# Altium PCB bogo_board.PcbDoc (part 2 of 2) (continued)
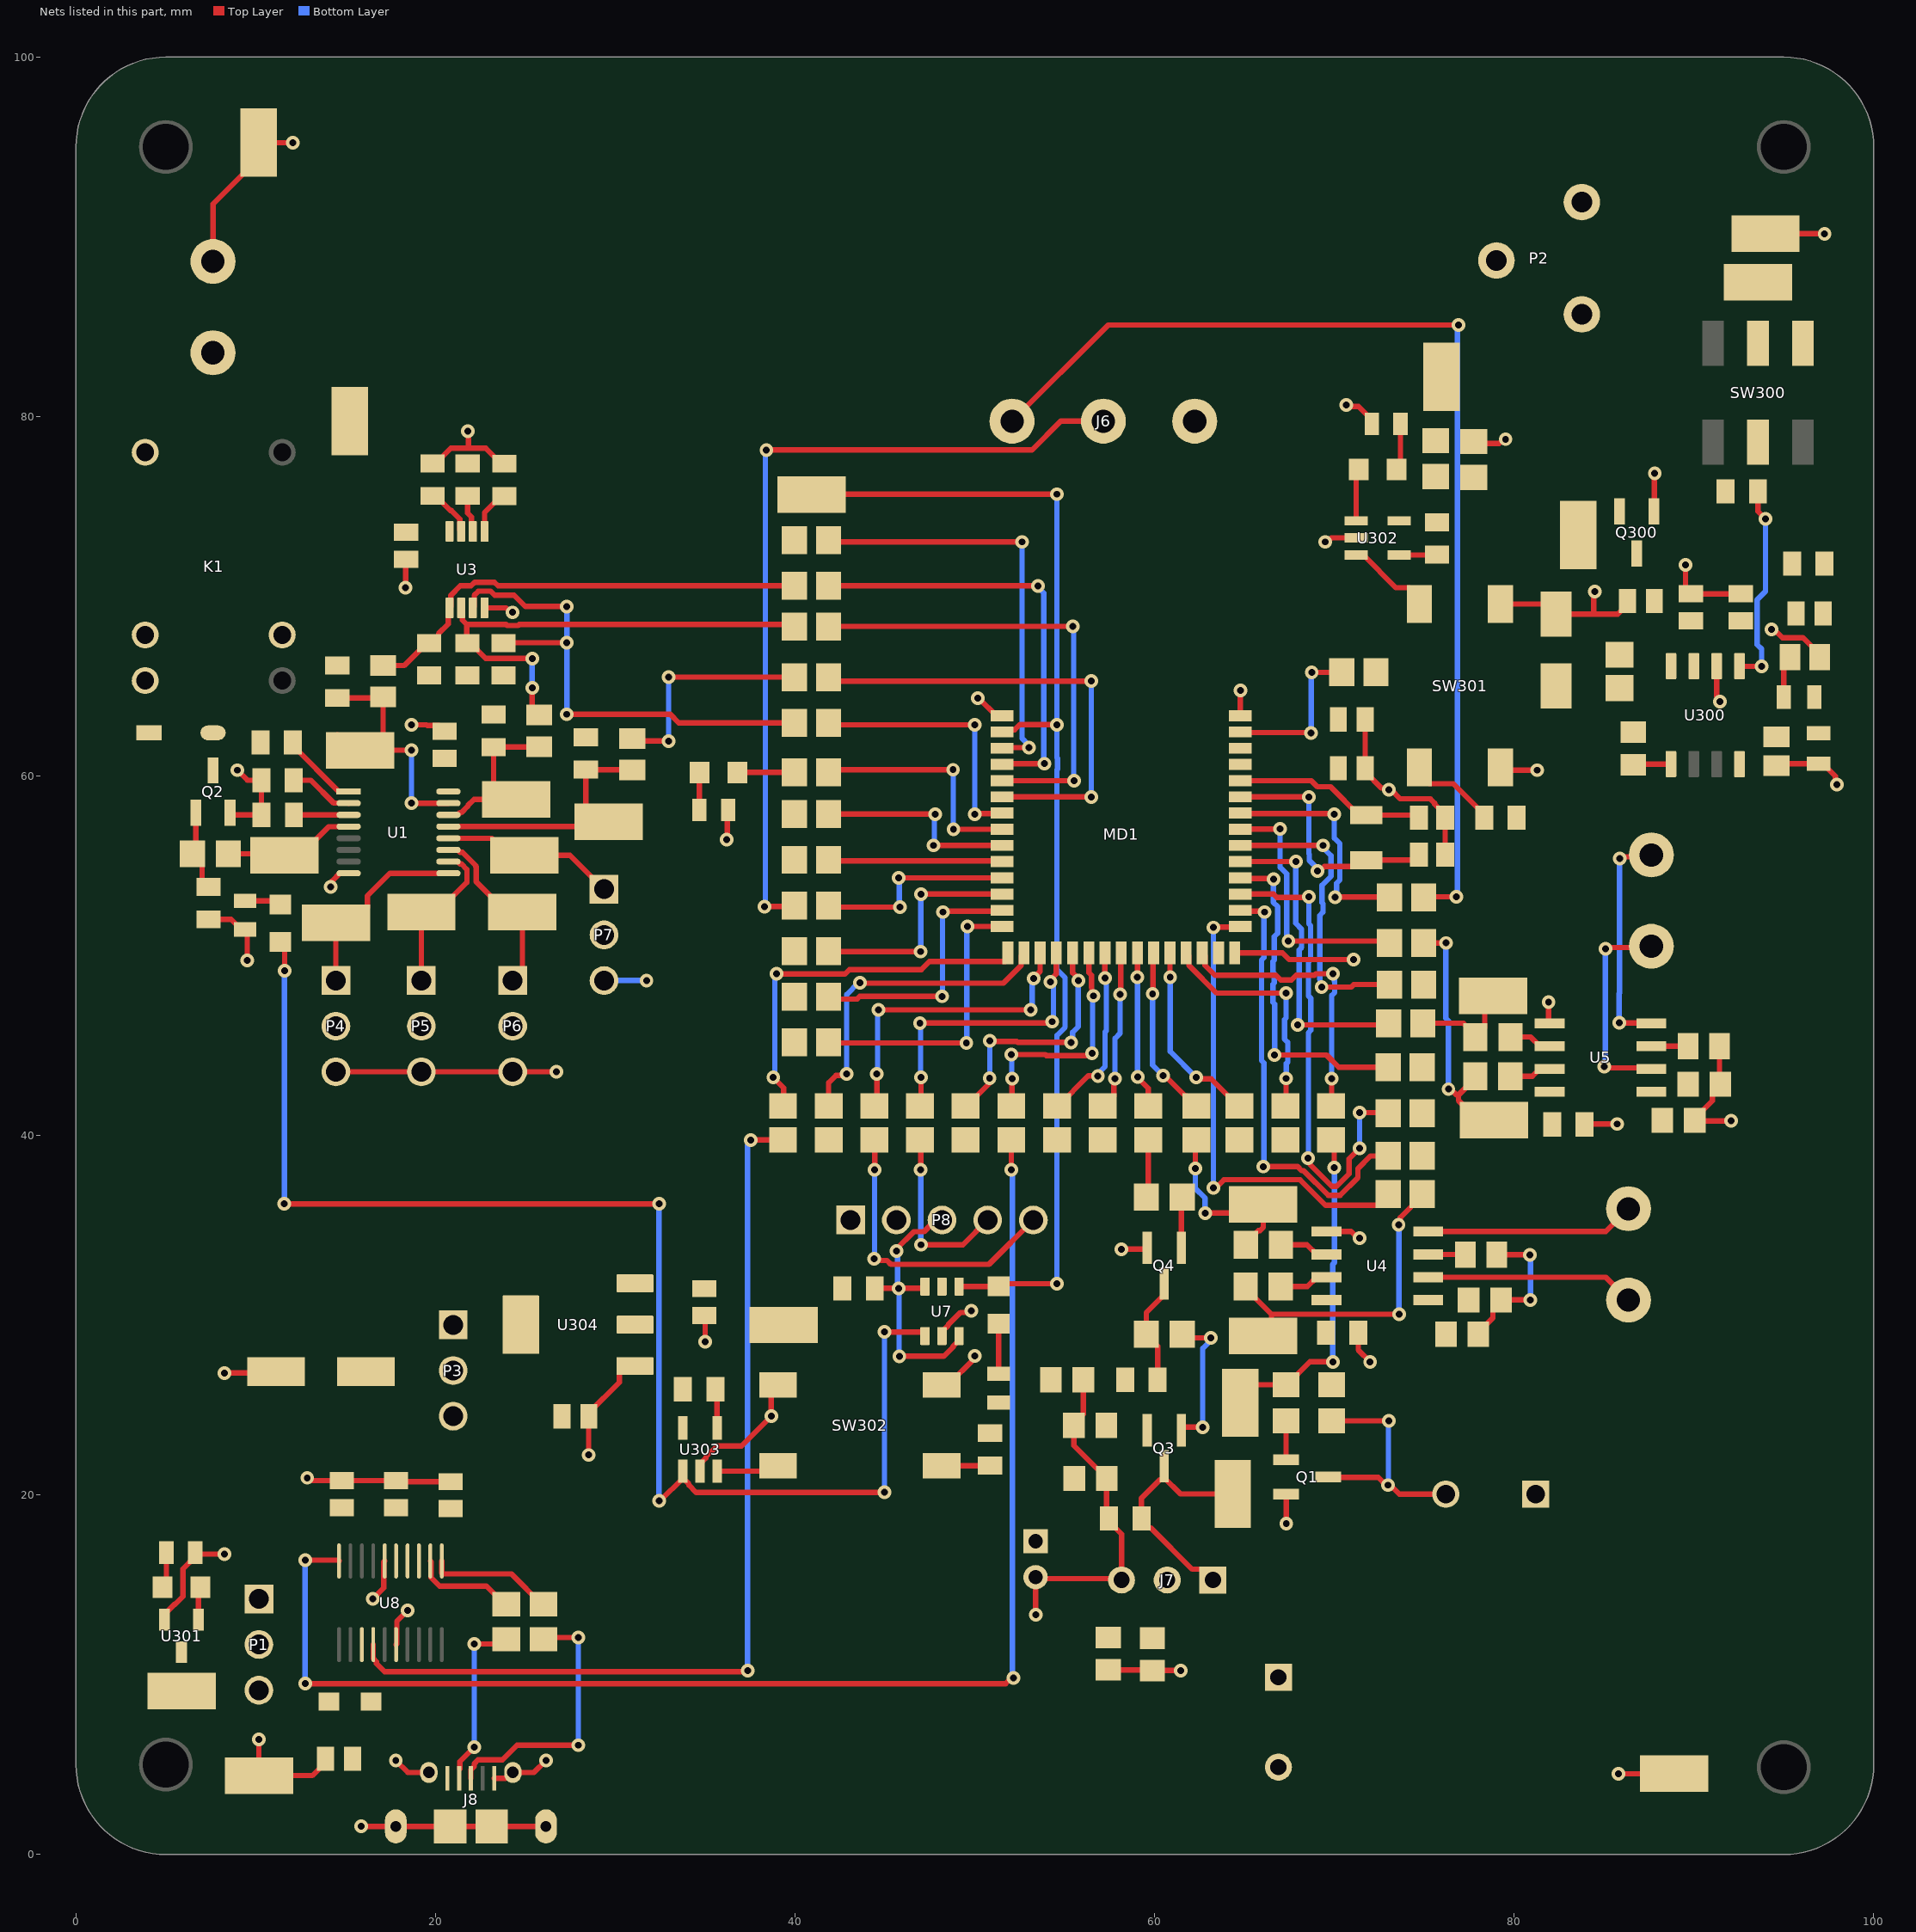
[diagram p2: the nets of this part, all layers, seen from the top]
## Nets (pads, with @x,y where several pads share a name; then routed paths per layer and width w, separated by ;. In a path a pad name is that pad's centre, name@x,y a point inside that pad or via, vN(x,y) a via of type N, cw(c..) or ccw(c..) an arc to the next point about the centre after c; other vN are vias at no path point)
3.3V: 3.3V.1 C1.1 C2.1 C7.2 C10.1 C11.1 C12.1 C14.2 C17.1 C18.2 MD1.4 P3.2 P4.2 P5.2 P6.2 P7.2 P8.1 Q3.2 R1.2 R2.2 R3.2 R4.2 R10.2 R13.2 R14.2 R15.2 R17.2 R23.2 R27.2 R63.2 R64.2 R65.2 R307.2 R308.2 R309.1 R310.1 SW300.6 U1.16 U2.1 U3.8 U4.4 U5.4 U7.5 U303.5
3.3V_REG: C308.1 P3.1 U304.2 U304.4
3.3V_USB: C20.1 P3.3 U8.3 U8.13 U8.14
3V3_MR_n: SW302.2 U303.3 | length 3.5
  Top Layer w0.3: U303.3@35.662,21.33 38.762,21.33 SW302.2@39.052,21.62
3V3_PB_RST: R308.1 SW302.1 | length 2.7
  Top Layer w0.3: SW302.1@48.152,21.62 50.818,21.62 R308.1@50.84,21.641
3V3_PG_R: LED302.1 R312.2 | length 2.1
  Top Layer w0.3: R312.2@9.415,53.06 11.169,53.06 LED302.1@11.392,52.837
3V3_PWR_GOOD: LED302.2 U7.1 U303.1 | length 77.2
  Top Layer w0.3: LED302.2@11.372,50.76 11.607,50.525 v1(11.607,49.163) ; v1(11.592,36.195) v1(32.43,36.195) ; v1(32.439,19.68) 32.502,19.68 U303.1@33.762,20.94 ; U303.1@33.762,21.33 U303.1@33.762,20.94 ; v1(44.978,20.145) 34.492,20.145 34.095,20.542 34.095,20.608 U303.1@33.762,20.94 ; v1(44.978,29.069) 47.113,29.069 47.224,28.959 U7.1@47.224,28.845
  Bottom Layer w0.3: v1(11.592,36.195) 11.6,36.203 11.6,49.156 v1(11.607,49.163) ; v1(32.43,36.195) 32.434,36.19 32.434,19.684 v1(32.439,19.68) v1@32.439,19.693 ; v1(44.978,20.145) v1(44.978,29.069)
3V3_WDI: R310.2 U303.4 | length 2.2
  Top Layer w0.3: R310.2@35.564,25.879 35.662,25.781 U303.4@35.662,23.73
5.0V: 5.0V.1 C13.1 C15.2 C16.2 C21.1 C22.1 C307.1 J7.2 P1.2 U8.15 U301.3 U304.3
5.0V_IN: C19.1 J8.1 L1.1
5.0V_REG: C302.1 C303.1 C304.1 L300.2 P1.1 R300.1
5.0V_USB: L1.2 P1.3
5V_PG_R: LED300.1 R304.2 | length 2
  Top Layer w0.3: LED300.1@4.823,14.878 5.034,15.089 R304.2@5.034,16.792
5V_PWR_GOOD: LED300.2 U301.1 | length 1.9
  Top Layer w0.3: U301.1@6.817,13.061 6.817,14.772 LED300.2@6.923,14.878
BUZZ_OUT: Q1.3 R10.1 U2.2 | length 13.9
  Top Layer w0.3: Q1.3@69.507,20.975 72.437,20.975 72.862,20.55 v1(72.987,20.55) 73.112,20.55 73.612,20.05 76.159,20.05 U2.2@76.2,20.009 ; R10.1@69.85,24.13 v1(73.025,24.13)
  Bottom Layer w0.3: v1(72.987,20.55) 73.006,20.569 73.006,24.111 v1(73.025,24.13)
BUZZ_P9.0: BUZZ.1 R11.1 R31.2 | length 18.6
  Top Layer w0.3: BUZZ.1@64.77,25.13 64.77,25.265 65.635,26.13 R11.1@67.31,26.13 67.36,26.13 68.641,27.411 v1(69.913,27.411) ; R31.2@69.807,39.75 69.994,39.563 v1(69.994,38.216)
  Bottom Layer w0.3: v1(69.913,27.411) 69.913,32.83 70.005,32.922 70.005,38.205 v1(69.994,38.216)
BUZZ_SEL: Q1.1 R11.2 | length 2.2
  Top Layer w0.3: Q1.1@67.31,21.95 R11.2@67.31,24.13
ENA: R301.2 U300.5 | length 11.4
  Top Layer w0.3: U300.5@92.53,66.113 92.544,66.099 v1(93.765,66.099) ; R301.2@93.562,75.83 93.562,74.728 v1(93.98,74.31)
  Bottom Layer w0.3: v1(93.765,66.099) 93.765,67.067 93.519,67.313 93.519,69.807 93.98,70.268 v1(93.98,74.31)
FTDI_RX_P6.5: R59.1 U8.4 | length 53.4
  Top Layer w0.3: U8.4@16.537,11.68 16.537,10.9 16.717,10.72 16.717,10.622 17.168,10.171 37.293,10.171 v1(37.358,10.235) ; v1(37.537,39.75) R59.1@39.327,39.75
  Bottom Layer w0.3: v1(37.358,10.235) 37.358,39.446 37.537,39.625 v1(37.537,39.75)
FTDI_TX_P6.4: R58.1 U8.20 | length 78.3
  Top Layer w0.3: v1(12.747,9.504) 51.714,9.504 52.024,9.814 v1(52.149,9.814) ; v1(12.747,16.38) 14.587,16.38 14.632,16.334 U8.20@14.632,16.33 ; v1(52.027,38.1) R58.1@52.027,39.75
  Bottom Layer w0.3: v1(12.747,9.504) v1(12.747,16.38) ; v1(52.027,38.1) 52.088,38.039 52.088,9.875 v1(52.149,9.814)
GND: C1.2 C2.2 C3.2 C4.2 C5.2 C6.2 C7.1 C8.1 C9.1 C10.2 C11.2 C12.2 C13.2 C14.1 C15.1 C16.1 C17.2 C18.1 C19.2 C20.2 C21.2 C22.2 C300.2 C303.2 C304.2 C305.1 C306.1 C307.2 C308.2 D300.2 GND0.1 GND1.1 GND2.1 GND3.1 J1.1 J6.1 J7.3 J8.5 J8.6 J8.7 J8.8 J8.9 J8.10 J8.11 MD1.1 MD1.15 MD1.43 P2.2 P2.3 P4.3 P5.3 P6.3 P7.3 P8.2 Q1.2 Q2.2 Q4.2 Q300.1 R8.1 R9.1 R12.1 R18.1 R19.1 R22.1 R23.1 R26.1 R27.1 R62.1 R68.1 R303.1 R304.1 R306.1 R311.1 R312.1 SW301.3 SW301.4 SW302.3 SW302.4 U1.8 U3.4 U4.1 U5.1 U7.2 U8.6 U8.16 U300.6 U301.2 U302.2 U303.2 U304.1 | length 220.4
  Top Layer w0.3: U301.2@4.917,13.061 4.917,13.361 5.484,13.928 5.518,13.928 5.951,14.361 5.951,15.884 6.634,16.567 R304.1@6.634,16.792 6.718,16.709 v1(8.255,16.709) ; R12.1@7.37,52.024 8.626,52.024 9.19,51.46 R312.1@9.415,51.46 9.525,51.35 v1(9.525,49.75) ; J1.1@7.62,88.63 7.62,91.825 10.16,94.365 GND1.1@10.16,95.25 10.178,95.232 v1(12.065,95.232) ; v1(8.255,26.789) 11.051,26.789 C7.1@11.133,26.871 ; Q2.2@8.57,57.963 8.695,57.838 R9.1@10.322,57.838 10.312,57.848 R8.1@10.312,59.766 9.53,59.766 v1(8.971,60.325) ; v1(10.176,6.408) GND2.1@10.176,4.39 13.142,4.39 13.882,5.13 C19.2@13.882,5.33 ; v1(12.862,20.955) 12.987,20.955 13.142,20.8 C21.2@14.79,20.8 C22.2@17.796,20.8 17.853,20.743 C20.2@20.84,20.743 ; v1(14.158,53.824) 14.246,53.912 14.246,54.163 14.67,54.588 U1.8@15.167,54.588 ; P4.3@14.458,43.543 P5.3@19.212,43.543 P6.3@24.292,43.543 v1(26.724,43.543) ; v1(15.875,1.563) J8.8@17.791,1.563 J8.9@20.816,1.563 J8.10@23.116,1.563 25.537,1.563 ; v1(16.51,14.22) 17.127,14.837 17.127,16.285 U8.16@17.172,16.33 ; v1(17.791,5.222) 18.451,4.563 J8.6@19.629,4.563 ; U8.6@17.807,11.68 17.852,11.725 17.852,12.984 v1(18.44,13.571) ; v1(18.338,70.485) 18.338,72.034 C2.2@18.362,72.058 ; v1(18.667,62.854) 19.498,62.854 19.543,62.808 20.179,62.808 C1.2@20.504,62.483 ; R18.1@19.832,77.383 20.007,77.383 20.857,78.233 21.828,78.233 ; v1(21.787,79.193) 21.828,79.152 21.828,78.233 ; U3.4@22.727,69.358 23.913,69.358 24.167,69.104 v1(24.292,69.104) ; J8.5@23.266,4.238 23.899,4.238 24.224,4.563 J8.7@24.303,4.563 25.481,4.563 v1(26.141,5.222) ; R19.1@23.826,77.38 23.651,77.38 22.798,78.233 21.828,78.233 ; J8.11@25.775,1.593 J8.11@25.775,2.057 ; v1(28.521,22.225) 28.521,24.369 C308.2@28.532,24.38 28.532,24.58 30.223,26.271 30.223,26.823 30.573,27.173 U304.1@31.098,27.173 U304.1@31.623,27.173 ; U303.2@34.712,21.33 34.712,21.72 35.045,22.052 35.045,22.118 35.657,22.73 37.023,22.73 v1(38.673,24.38) 38.673,25.741 SW302.4@39.052,26.12 ; C307.2@34.952,29.98 34.998,29.935 v1(34.998,28.521) ; v1(36.195,56.459) 36.237,56.501 36.237,58.078 R62.1@36.279,58.12 ; SW302.3@48.152,26.12 48.502,26.12 50,27.618 v1(50,27.74) ; U7.2@48.174,28.845 48.174,29.085 48.513,29.424 48.513,29.464 49.206,30.156 49.725,30.156 v1(49.813,30.245) ; v1(50.165,64.324) 50.22,64.324 51.194,63.35 MD1.43@51.524,63.35 ; C12.2@53.379,15.426 C12.2@53.382,15.423 ; v1(53.385,13.335) 53.382,13.338 C12.2@53.382,15.423 ; C14.1@56.037,26.41 56.037,24.5 55.507,23.97 C17.2@55.507,23.87 55.507,22.75 56.783,21.474 56.883,21.474 57.333,21.024 C18.1@57.333,20.924 57.333,18.829 R68.1@57.467,18.695 57.467,18.52 58.16,17.826 J7.3@58.16,15.269 58.081,15.348 53.458,15.348 C12.2@53.382,15.423 ; C15.1@57.417,10.27 59.836,10.27 C16.1@59.871,10.235 v1(61.46,10.235) ; v1(58.16,33.678) 59.505,33.678 Q4.2@59.587,33.76 ; MD1.15@64.453,50.161 67.115,50.161 67.489,49.787 v1(71.077,49.787) ; MD1.1@64.762,63.35 64.77,63.358 v1(64.77,64.77) ; Q1.2@67.31,20.05 67.324,20.036 v1(67.324,18.404) ; v1(69.48,73.025) 69.605,73.025 69.828,73.248 U302.2@71.209,73.248 ; U4.1@69.564,34.655 70.926,34.655 71.281,34.3 v1(71.406,34.3) ; v1(70.663,80.645) 70.751,80.557 71.345,80.557 72.079,79.823 R311.1@72.079,79.598 ; R23.1@71.329,29.029 71.329,28.069 v1(71.987,27.411) ; C11.2@71.717,63.15 C10.2@71.717,60.428 71.717,60.228 72.612,59.333 72.937,59.333 v1(73.025,59.245) 73.15,59.245 73.663,58.732 75.331,58.732 75.572,58.491 75.572,58.43 76.157,57.845 C8.1@76.157,57.678 C9.1@76.157,55.63 ; R306.1@77.752,78.507 79.165,78.507 79.398,78.74 v1(79.523,78.74) ; C3.2@78,28.94 78,29.04 78.817,29.857 78.817,30.395 79.276,30.854 v1(80.905,30.854) ; R22.1@79.03,33.367 v1(80.865,33.367) ; SW301.3@79.231,60.474 79.381,60.325 v1(81.28,60.325) ; SW301.4@79.231,69.574 81.767,69.574 D300.2@82.332,69.009 84.427,69.009 ; v1(81.915,47.421) 81.915,46.308 U5.1@81.978,46.244 ; R27.1@83.918,40.613 83.945,40.64 v1(85.724,40.64) ; v1(84.492,70.268) 84.427,70.202 84.427,69.009 ; v1(85.8,4.493) GND3.1@88.9,4.493 ; C300.2@86.297,69.738 86.297,69.538 85.768,69.009 84.427,69.009 ; Q300.1@87.765,74.723 87.793,74.751 87.793,76.807 v1(87.821,76.835) ; v1(89.535,71.755) 89.535,70.426 C303.2@89.826,70.135 C304.2@92.608,70.135 ; U300.6@91.26,66.113 91.26,64.44 91.44,64.26 v1(91.44,64.135) ; R26.1@91.426,44.974 91.426,42.908 C6.2@91.476,42.858 91.026,42.408 91.026,41.926 90.047,40.947 C5.2@90.047,40.847 90.083,40.81 v1(92.075,40.81) ; GND0.1@93.98,90.17 v1(97.268,90.17) ; v1(94.323,68.16) 94.448,68.16 94.92,67.687 96.066,67.687 96.991,66.762 C306.1@96.991,66.612 ; C305.1@94.597,60.569 94.71,60.682 R303.1@96.928,60.682 97.179,60.682 97.871,59.99 97.871,59.617 v1(97.96,59.529)
  Bottom Layer w0.3: P7.3@29.372,48.623 v1(31.736,48.623) ; v1(80.865,33.367) 80.905,33.327 v1(80.905,30.854)
IN_A1_P9.4: IN_A1.1 R21.2 R35.2 | length 17.3
  Top Layer w0.3: R21.2@65.058,31.599 65.058,31.499 66.497,30.06 ; IN_A1.1@66.224,29.383 66.497,29.656 66.497,30.06 ; v1(73.568,35.035) 73.657,35.123 73.657,35.436 74.887,36.666 R35.2@74.887,36.741 ; v1(73.609,30.06) 66.497,30.06
  Bottom Layer w0.3: v1(73.568,35.035) 73.588,35.014 73.588,30.08 v1(73.609,30.06)
IN_A1_RES: R21.1 U4.3 | length 2.8
  Top Layer w0.3: R21.1@67.008,31.599 68.495,31.599 69.012,32.115 U4.3@69.564,32.115
IN_A2_P9.6: IN_A2.1 R20.2 R39.2 | length 10.5
  Top Layer w0.3: v1(62.267,38.172) 62.267,39.686 R39.2@62.33,39.75 ; v1(62.808,35.686) 65.55,35.686 IN_A2.1@66.04,36.176 66.04,34.883 65.864,34.707 65.764,34.707 65.077,34.02 R20.2@65.077,33.92
  Bottom Layer w0.3: v1(62.267,38.172) 62.267,37.058 62.807,36.517 v1(62.808,35.686)
IN_A2_RES: R20.1 U4.2 | length 2.8
  Top Layer w0.3: R20.1@67.027,33.92 68.477,33.92 69.012,33.385 U4.2@69.564,33.385
IN_B1_P10.4: IN_B2.1 R25.2 R49.2 | length 14.3
  Top Layer w0.3: R49.2@74.963,50.711 v1(76.2,50.711) ; v1(76.343,42.579) 76.468,42.579 76.793,42.254 76.903,42.254 ; R25.2@77.839,43.29 77.839,43.19 76.903,42.254 ; IN_B2.1@78.884,40.849 77.999,40.849 76.903,41.945 76.903,42.254
  Bottom Layer w0.3: v1(76.2,50.711) 76.2,46.525 76.343,46.382 v1(76.343,42.579)
IN_B1_RES: R25.1 U5.3 | length 2.4
  Top Layer w0.3: R25.1@79.789,43.29 81.012,43.29 81.426,43.704 U5.3@81.978,43.704
IN_B2_P10.6: IN_B1.1 R24.2 R53.2 | length 6.8
  Top Layer w0.3: R53.2@74.921,46.244 77.177,46.244 77.842,45.579 R24.2@77.842,45.479 78.367,46.004 78.367,46.902 79.539,48.074 IN_B1.1@79.789,48.074
IN_B2_RES: R24.1 U5.2 | length 2.4
  Top Layer w0.3: R24.1@79.792,45.479 80.921,45.479 81.426,44.974 U5.2@81.978,44.974
INT_P5.2: R5.1 R44.1 | length 12.6
  Top Layer w0.3: R5.1@30.949,62.078 31.079,61.948 v1(32.966,61.948) ; v1(32.966,65.506) 39.961,65.506 R44.1@39.967,65.5
  Bottom Layer w0.3: v1(32.966,61.948) v1(32.966,65.506)
IO_A0: R1.1 U1.1 | length 4.3
  Top Layer w0.3: R1.1@12.066,61.863 12.066,61.688 14.596,59.158 15.146,59.158 U1.1@15.167,59.138
IO_A1: R8.2 U1.2 | length 3.6
  Top Layer w0.3: R8.2@12.112,59.766 13.062,59.766 14.333,58.496 15.159,58.496 U1.2@15.167,58.488
IO_A2: R9.2 U1.3 | length 3
  Top Layer w0.3: R9.2@12.122,57.838 U1.3@15.167,57.838
IO_INT_n: INT_n.1 R4.1 R5.2 U1.13 | length 15.3
  Top Layer w0.3: U1.13@20.717,57.188 29.378,57.188 INT_n.1@29.636,57.445 29.231,57.445 28.366,58.31 R4.1@28.366,60.353 30.983,60.353 R5.2@30.987,60.357
IO_SCL: R3.1 R6.2 SCL.1 U1.14 | length 10
  Top Layer w0.3: U1.14@20.717,57.838 21.236,57.838 21.365,57.967 21.44,57.967 21.794,58.321 21.794,58.35 22.147,58.704 SCL.1@24.092,58.704 ; SCL.1@24.497,58.704 SCL.1@24.092,58.704 ; R6.2@25.767,61.639 25.742,61.614 R3.1@23.227,61.614 23.227,59.569 SCL.1@24.092,58.704
IO_SDA: R2.1 R7.2 SDA.1 U1.15 | length 15.4
  Top Layer w0.3: SDA.1@14.54,62.299 15.405,61.434 SDA.1@15.81,61.434 SDA.1@16.215,61.434 ; R2.1@14.54,64.344 17.03,64.344 R7.2@17.08,64.394 17.08,62.299 SDA.1@16.215,61.434 ; v1(18.667,58.488) U1.15@20.717,58.488 ; v1(18.667,61.434) SDA.1@16.215,61.434
  Bottom Layer w0.3: v1(18.667,58.488) v1(18.667,61.434)
ISEN_A: R22.2 U4.7 | length 2.1
  Top Layer w0.3: U4.7@75.216,33.385 77.262,33.385 R22.2@77.28,33.367
ISEN_B: R26.2 U5.7 | length 2
  Top Layer w0.3: U5.7@87.63,44.974 R26.2@89.676,44.974
LED_EN0_P10.2: J6.2 R45.2 | length 46.5
  Top Layer w0.3: v1(38.296,52.739) 39.906,52.739 R45.2@39.967,52.8 ; v1(38.406,78.14) 53.181,78.14 54.781,79.74 J6.2@57.15,79.74
  Bottom Layer w0.3: v1(38.296,52.739) 38.351,52.794 38.351,78.085 v1(38.406,78.14)
LED_EN1_P10.3: J6.3 R47.2 | length 60.7
  Top Layer w0.3: J6.3@52.07,79.74 57.42,85.09 v1(76.897,85.09) ; R47.2@74.963,53.251 74.998,53.286 v1(76.781,53.286)
  Bottom Layer w0.3: v1(76.781,53.286) 76.839,53.344 76.839,85.032 v1(76.897,85.09)
NetC301_1: C301.1 U300.1 | length 2.1
  Top Layer w0.3: C301.1@86.63,60.633 86.659,60.663 U300.1@88.72,60.663
NetC306_2: C306.2 R302.1 | length 2.4
  Top Layer w0.3: R302.1@94.994,64.394 94.994,66.265 C306.2@95.341,66.612
OTS_P5.3: R17.1 R46.1 U3.3 | length 28.7
  Top Layer w0.3: U3.3@22.077,69.358 22.152,69.433 22.152,70.049 22.386,70.283 23.068,70.283 23.292,70.059 24.371,70.059 24.997,69.433 v1(27.305,69.433) ; R17.1@23.777,67.396 23.799,67.418 v1(27.305,67.418) ; v1(27.305,63.435) 33.06,63.435 33.535,62.96 R46.1@39.967,62.96
  Bottom Layer w0.3: v1(27.305,63.435) v1(27.305,67.418) v1(27.305,69.433)
OUT_A1: J4.1 U4.6 | length 11.7
  Top Layer w0.3: U4.6@75.216,32.115 85.09,32.115 J4.1@86.36,30.845
OUT_A2: J4.2 U4.8 | length 11.7
  Top Layer w0.3: U4.8@75.216,34.655 85.09,34.655 J4.2@86.36,35.925
OUT_B1: J5.1 U5.6 | length 11.9
  Top Layer w0.3: v1(85.008,43.823) 85.067,43.764 87.57,43.764 U5.6@87.63,43.704 ; v1(85.073,50.382) 85.147,50.456 87.556,50.456 J5.1@87.63,50.53
  Bottom Layer w0.3: v1(85.008,43.823) 85.073,43.889 v1(85.073,50.382)
OUT_B2: J5.2 U5.8 | length 12.8
  Top Layer w0.3: v1(85.84,46.271) 85.853,46.257 87.617,46.257 U5.8@87.63,46.244 ; v1(85.865,55.419) 85.954,55.508 87.528,55.508 J5.2@87.63,55.61
  Bottom Layer w0.3: v1(85.84,46.271) 85.84,47.897 85.865,47.923 v1(85.865,55.419)
P0.0: C8.2 MD1.5 Y1.1 | length 10.8
  Top Layer w0.3: MD1.5@64.762,59.74 68.716,59.74 69.054,59.403 69.793,59.403 71.373,57.823 Y1.1@71.773,57.823 74.563,57.823 C8.2@74.707,57.678
P0.1: C9.2 MD1.6 Y1.2 | length 14.2
  Top Layer w0.3: MD1.6@64.762,58.84 v1(68.583,58.84) ; v1(69.068,54.72) 69.193,54.72 69.446,54.973 71.423,54.973 Y1.2@71.773,55.323 74.4,55.323 C9.2@74.707,55.63
  Bottom Layer w0.3: v1(68.583,58.84) 68.583,55.668 68.606,55.645 68.606,55.307 69.068,54.845 v1(69.068,54.72)
P0.4: R36.1
P0.5: R38.1
P5.4: R48.1
P5.6: R52.1
P6.2: R55.1
P6.3: R57.1
P7.1: R28.2
P7.2: R29.2
P7.7: R30.2
P9.1: R32.2
P9.3: R34.2
P9.5: R37.2
P10.0: R41.2
P10.1: R43.2
P10.5: R51.2
P12.6: R54.2
P12.7: R56.2
PMP_SEL: Q2.1 R12.2 R16.2 | length 4.6
  Top Layer w0.3: Q2.1@6.67,57.963 6.67,55.865 R16.2@6.477,55.672 7.02,55.129 7.02,54.174 R12.2@7.37,53.824
PRG_RESET_N: P8.3 R64.1 U7.3 U7.6 | length 16
  Top Layer w0.3: R64.1@44.434,31.49 44.442,31.499 v1(45.765,31.499) 47.127,31.499 U7.6@47.224,31.595 ; v1(45.634,33.563) 45.634,33.674 46.611,34.651 47.173,34.651 47.822,35.3 P8.3@48.174,35.3 ; v1(45.8,27.72) 48.279,27.72 48.784,28.226 48.784,28.266 49.124,28.605 U7.3@49.124,28.845
  Bottom Layer w0.3: v1(45.634,33.563) 45.7,33.497 45.7,31.564 45.782,31.481 45.782,27.738 v1(45.8,27.72)
PROX_OUT0: P4.1 PROX_OUT0.1 U1.9 | length 11.9
  Top Layer w0.3: P4.1@14.458,48.623 PROX_OUT0.1@14.458,51.825 15.343,51.825 16.208,52.69 16.208,53.333 17.463,54.588 U1.9@20.717,54.588 ; PROX_OUT0.1@14.458,52.468 PROX_OUT0.1@15.343,52.468
PROX_OUT1: P5.1 PROX_OUT1.1 U1.10 | length 9
  Top Layer w0.3: P5.1@19.212,48.623 PROX_OUT1.1@19.212,52.433 20.097,52.433 21.745,54.081 21.745,54.803 21.44,55.108 21.365,55.108 21.236,55.238 U1.10@20.717,55.238
PROX_OUT2: P6.1 PROX_OUT2.1 U1.11 | length 10.1
  Top Layer w0.3: U1.11@20.717,55.888 21.236,55.888 21.365,55.758 21.497,55.758 22.245,55.01 22.245,54.953 22.261,54.937 22.261,54.119 23.948,52.433 PROX_OUT2.1@24.833,52.433 24.833,49.163 P6.1@24.292,48.623
PROX_OUT3: P7.1 PROX_OUT3.1 U1.12 | length 9.8
  Top Layer w0.3: U1.12@20.717,56.538 23.118,56.538 24.063,55.593 PROX_OUT3.1@24.948,55.593 27.482,55.593 P7.1@29.372,53.703
PUMP_PWR: J1.2 K1.1 PUMP_PWR.1
PUMP_SEL: PUMP_SEL.1 R16.1 U1.4 | length 7.4
  Top Layer w0.3: R16.1@8.477,55.672 11.513,55.672 PUMP_SEL.1@11.592,55.593 12.477,55.593 14.064,57.18 15.159,57.18 U1.4@15.167,57.188
R0.4: MD1.41 R36.2 | length 23.9
  Top Layer w0.3: R36.2@41.867,73.12 41.962,73.025 v1(52.63,73.025) ; MD1.41@51.464,61.585 v1(53.002,61.585)
  Bottom Layer w0.3: v1(52.63,73.025) 52.63,62.082 53.002,61.71 v1(53.002,61.585)
R0.5: MD1.2 R38.2 | length 9
  Top Layer w0.3: MD1.2@64.762,62.45 64.793,62.419 68.66,62.419 v1(68.691,62.388) ; v1(68.737,65.77) R38.2@70.409,65.77
  Bottom Layer w0.3: v1(68.691,62.388) 68.714,62.411 68.714,65.747 v1(68.737,65.77)
R5.0: MD1.39 R40.2 | length 26.2
  Top Layer w0.3: R40.2@41.867,68.31 41.881,68.324 v1(55.443,68.324) ; MD1.39@51.524,59.74 v1(55.529,59.74)
  Bottom Layer w0.3: v1(55.443,68.324) 55.492,68.275 55.492,59.776 v1(55.529,59.74)
R5.1: MD1.40 R42.2 | length 24.1
  Top Layer w0.3: R42.2@41.867,70.58 v1(53.52,70.58) ; MD1.40@51.464,60.685 v1(53.868,60.685)
  Bottom Layer w0.3: v1(53.52,70.58) 53.52,70.489 53.836,70.173 53.836,60.717 v1(53.868,60.685)
R5.2: MD1.38 R44.2 | length 26.1
  Top Layer w0.3: R44.2@41.867,65.5 42.085,65.282 v1(56.473,65.282) ; MD1.38@51.524,58.84 v1(56.473,58.84)
  Bottom Layer w0.3: v1(56.473,58.84) v1(56.473,65.282)
R5.3: MD1.37 R46.2 | length 14.7
  Top Layer w0.3: R46.2@41.867,62.96 41.974,62.853 v1(50,62.853) ; v1(50,57.88) 50.03,57.91 51.494,57.91 MD1.37@51.524,57.94
  Bottom Layer w0.3: v1(50,57.88) v1(50,62.853)
R5.4: MD1.25 R48.2 | length 14
  Top Layer w0.3: R48.2@49.487,41.65 49.798,41.961 49.873,41.961 50.82,42.908 v1(50.82,43.181) ; v1(50.84,45.269) 50.873,45.235 52.33,45.235 52.385,45.18 v1(55.352,45.18) ; MD1.25@55.443,50.161 55.443,49.053 55.753,48.742 v1(55.753,48.617)
  Bottom Layer w0.3: v1(50.82,43.181) 50.83,43.191 50.83,45.26 v1(50.84,45.269) ; v1(55.352,45.18) 55.44,45.269 55.44,45.741 55.753,46.054 v1(55.753,48.617)
R5.5: MD1.36 R50.2 | length 13
  Top Layer w0.3: R50.2@41.867,60.2 42.017,60.35 v1(48.788,60.35) ; v1(48.812,57.04) MD1.36@51.524,57.04
  Bottom Layer w0.3: v1(48.788,60.35) 48.8,60.338 48.8,57.052 v1(48.812,57.04)
R5.6: MD1.32 R52.2 | length 12.9
  Top Layer w0.3: R52.2@41.867,50.26 41.896,50.231 v1(46.99,50.231) ; v1(47.008,53.43) MD1.32@51.524,53.43
  Bottom Layer w0.3: v1(46.99,50.231) 46.999,50.24 46.999,53.421 v1(47.008,53.43)
R6.2: MD1.28 R55.2 | length 18.1
  Top Layer w0.3: R55.2@41.867,41.65 41.867,42.936 42.272,43.341 42.783,43.341 v1(42.871,43.43) ; v1(43.601,48.502) 43.629,48.474 51.58,48.474 52.578,49.471 52.578,50.006 MD1.28@52.733,50.161
  Bottom Layer w0.3: v1(42.871,43.43) 42.871,47.844 43.529,48.502 v1(43.601,48.502)
R6.3: MD1.30 R57.2 | length 16.1
  Top Layer w0.3: R57.2@41.867,45.18 41.896,45.151 v1(49.53,45.151) ; v1(49.589,51.63) MD1.30@51.524,51.63
  Bottom Layer w0.3: v1(49.53,45.151) 49.559,45.18 49.559,51.601 v1(49.589,51.63)
R6.4: MD1.24 R58.2 | length 13.2
  Top Layer w0.3: R58.2@52.027,41.65 52.07,41.693 v1(52.07,43.154) ; v1(52.027,44.504) 53.92,44.504 53.975,44.449 56.269,44.449 56.39,44.57 v1(56.515,44.57) ; MD1.24@56.343,50.161 56.343,49.061 56.484,48.92 56.484,48.243 56.5,48.226 56.5,47.856 v1(56.589,47.767)
  Bottom Layer w0.3: v1(52.027,44.504) 52.048,44.483 52.048,43.176 v1(52.07,43.154) ; v1(56.515,44.57) 56.552,44.607 56.552,47.73 v1(56.589,47.767)
R6.5: MD1.29 R59.2 | length 21.2
  Top Layer w0.3: v1(38.789,43.227) 39.37,42.646 39.37,41.693 R59.2@39.327,41.65 ; v1(38.963,48.99) 42.776,48.99 43.019,49.233 47.026,49.233 47.469,49.676 51.678,49.676 51.833,49.831 MD1.29@51.833,50.161
  Bottom Layer w0.3: v1(38.789,43.227) 38.876,43.314 38.876,48.903 v1(38.963,48.99)
R6.6: MD1.27 R60.2 | length 17.3
  Top Layer w0.3: R60.2@44.407,41.65 44.549,41.792 v1(44.549,43.43) ; v1(44.634,46.99) v1(53.114,46.99) ; v1(53.27,48.733) 53.27,48.76 53.633,49.122 MD1.27@53.633,50.161
  Bottom Layer w0.3: v1(44.549,43.43) 44.591,43.472 44.591,46.947 v1(44.634,46.99) ; v1(53.114,46.99) 53.192,47.068 53.192,48.655 v1(53.27,48.733)
R6.7: MD1.26 R61.2 | length 16.1
  Top Layer w0.3: R61.2@46.947,41.65 47.008,41.711 v1(47.008,43.227) ; v1(46.947,46.259) 54.217,46.259 v1(54.291,46.333) ; v1(54.214,48.545) 54.214,48.67 54.533,48.989 MD1.26@54.533,50.161
  Bottom Layer w0.3: v1(46.947,46.259) 46.977,46.229 46.977,43.258 v1(47.008,43.227) ; v1(54.214,48.545) 54.214,48.42 54.371,48.263 54.371,46.413 v1(54.291,46.333)
R7.1: MD1.23 R28.1 | length 10.1
  Top Layer w0.3: R28.1@54.567,41.65 54.642,41.65 56.306,43.314 v1(56.847,43.314) ; v1(57.236,48.767) 57.236,50.154 MD1.23@57.243,50.161
  Bottom Layer w0.3: v1(56.847,43.314) 56.847,43.439 57.246,43.838 57.246,45.756 57.32,45.83 57.32,48.683 v1(57.236,48.767)
R7.2: MD1.22 R29.1 | length 9
  Top Layer w0.3: R29.1@57.107,41.65 57.182,41.65 57.732,42.2 57.732,43.09 v1(57.796,43.154) ; v1(58.082,47.856) 58.112,47.886 58.112,50.131 MD1.22@58.143,50.161
  Bottom Layer w0.3: v1(57.796,43.154) 57.796,45.406 58.082,45.692 v1(58.082,47.856)
R7.7: MD1.31 R30.1 | length 14.5
  Top Layer w0.3: R30.1@41.867,47.72 41.994,47.593 43.451,47.593 43.601,47.743 v1(48.174,47.743) ; v1(48.231,52.433) 48.28,52.481 51.475,52.481 MD1.31@51.524,52.53
  Bottom Layer w0.3: v1(48.174,47.743) 48.203,47.771 48.203,52.404 v1(48.231,52.433)
R9.0: MD1.17 R31.1 | length 15.8
  Top Layer w0.3: MD1.17@62.653,50.161 62.808,50.006 62.808,49.471 63.363,48.916 66.742,48.916 67.007,48.65 67.613,48.65 67.878,48.916 68.888,48.916 68.966,48.994 69.913,48.994 v1(69.916,48.991) ; R31.1@69.807,41.65 69.85,41.693 v1(69.85,43.154)
  Bottom Layer w0.3: v1(69.85,43.154) 69.85,47.793 70.018,47.961 70.018,48.566 70.005,48.579 70.005,48.902 v1(69.916,48.991)
R9.1: MD1.18 R32.1 | length 13.2
  Top Layer w0.3: MD1.18@61.753,50.161 61.908,50.006 61.908,49.471 63.46,47.919 v1(67.31,47.919) ; R32.1@67.267,41.65 67.31,41.693 v1(67.31,43.176)
  Bottom Layer w0.3: v1(67.31,43.176) 67.324,43.19 67.324,44.007 67.406,44.089 67.406,45.185 67.229,45.362 67.229,46.458 67.31,46.539 v1(67.31,47.919)
R9.2: MD1.21 R33.1 | length 8.8
  Top Layer w0.3: v1(59.043,48.8) MD1.21@59.043,50.161 ; v1(59.055,43.258) 59.055,43.221 59.647,42.629 R33.1@59.647,41.65
  Bottom Layer w0.3: v1(59.043,48.8) 59.049,48.794 59.049,43.264 v1(59.055,43.258)
R9.3: MD1.9 R34.1 | length 16.8
  Top Layer w0.3: MD1.9@64.762,56.14 v1(69.364,56.14) ; v1(69.287,48.263) 69.291,48.26 70.938,48.26 71.075,48.398 R34.1@73.063,48.398
  Bottom Layer w0.3: v1(69.287,48.263) 69.199,48.352 69.199,48.675 69.185,48.688 69.185,52.247 69.364,52.426 69.364,52.901 69.306,52.959 69.306,53.924 69.806,54.425 69.806,55.573 69.364,56.015 v1(69.364,56.14)
R9.4: MD1.14 R35.1 | length 26.8
  Top Layer w0.3: v1(63.273,37.085) 63.398,37.085 63.853,37.541 68.085,37.541 69.51,36.116 72.437,36.116 72.987,36.666 R35.1@72.987,36.741 ; v1(63.273,51.572) 63.302,51.601 64.733,51.601 MD1.14@64.762,51.63
  Bottom Layer w0.3: v1(63.273,37.085) v1(63.273,51.572)
R9.5: MD1.19 R37.1 | length 10.6
  Top Layer w0.3: MD1.19@60.853,50.161 60.86,50.154 60.86,48.807 v1(60.867,48.8) ; v1(62.315,43.227) 62.387,43.156 63.146,43.156 64.652,41.65 R37.1@64.727,41.65
  Bottom Layer w0.3: v1(60.867,48.8) 60.867,44.676 v1(62.315,43.227)
R9.6: MD1.20 R39.1 | length 9.7
  Top Layer w0.3: v1(59.885,47.886) 59.914,47.915 59.914,50.132 MD1.20@59.943,50.161 ; v1(60.475,43.326) 60.579,43.326 61.705,42.2 61.78,42.2 R39.1@62.33,41.65
  Bottom Layer w0.3: v1(59.885,47.886) 59.885,43.917 v1(60.475,43.326)
R10.0: MD1.13 R41.1 | length 24.5
  Top Layer w0.3: MD1.13@64.762,52.53 64.81,52.481 66.064,52.481 v1(66.113,52.433) ; v1(66.04,38.272) 67.96,38.272 68.191,38.041 68.292,38.041 69.66,36.672 70.323,36.672 71.312,37.662 71.312,38.166 72.008,38.862 R41.1@72.987,38.862
  Bottom Layer w0.3: v1(66.04,38.272) 66.087,38.318 66.087,44.032 65.944,44.175 65.944,49.756 66.087,49.899 66.087,52.406 v1(66.113,52.433)
R10.1: MD1.12 R43.1 | length 27.3
  Top Layer w0.3: MD1.12@64.762,53.43 66.616,53.43 66.795,53.251 68.54,53.251 v1(68.575,53.286) ; v1(68.537,38.746) 68.625,38.657 68.625,38.414 69.867,37.172 70.116,37.172 70.812,37.869 70.812,38.7 v1(71.406,39.294) ; v1(71.406,41.275) 72.943,41.275 R43.1@72.987,41.231
  Bottom Layer w0.3: v1(68.537,38.746) 68.556,38.765 68.556,45.717 68.691,45.852 68.691,47.638 68.556,47.773 68.556,49.67 68.673,49.787 68.673,51.684 68.575,51.782 v1(68.575,53.286) ; v1(71.406,39.294) v1(71.406,41.275)
R10.2: MD1.33 R45.1 | length 11.4
  Top Layer w0.3: R45.1@41.867,52.8 41.962,52.705 v1(45.834,52.705) ; v1(45.765,54.33) MD1.33@51.524,54.33
  Bottom Layer w0.3: v1(45.765,54.33) 45.8,54.296 45.8,52.739 v1(45.834,52.705)
R10.3: MD1.7 R47.1 | length 13.1
  Top Layer w0.3: MD1.7@64.762,57.94 64.792,57.91 69.964,57.91 v1(69.994,57.88) ; v1(70.037,53.267) 73.047,53.267 R47.1@73.063,53.251
  Bottom Layer w0.3: v1(69.994,57.88) 69.994,56.544 70.306,56.232 70.306,54.217 70.125,54.037 70.125,53.355 v1(70.037,53.267)
R10.4: MD1.8 R49.1 | length 14.3
  Top Layer w0.3: MD1.8@64.762,57.04 64.772,57.05 66.971,57.05 v1(66.981,57.06) ; v1(67.442,50.815) 72.959,50.815 R49.1@73.063,50.711
  Bottom Layer w0.3: v1(66.981,57.06) 66.981,54.925 67.344,54.562 67.344,51.599 67.354,51.589 67.354,50.903 v1(67.442,50.815)
R10.5: MD1.11 R51.1 | length 18.6
  Top Layer w0.3: MD1.11@64.762,54.33 64.797,54.294 66.577,54.294 v1(66.613,54.259) ; v1(66.675,44.478) 69.56,44.478 70.242,43.796 R51.1@72.987,43.796
  Bottom Layer w0.3: v1(66.613,54.259) 66.613,52.966 66.844,52.735 66.844,51.25 66.659,51.066 66.659,49.765 66.579,49.684 66.579,49.079 66.659,48.998 66.659,48.5 66.579,48.419 66.579,47.414 66.675,47.318 v1(66.675,44.478)
R10.6: MD1.10 R53.1 | length 17.5
  Top Layer w0.3: MD1.10@64.762,55.24 v1(67.855,55.24) ; v1(67.96,46.155) 72.932,46.155 R53.1@73.021,46.244
  Bottom Layer w0.3: v1(67.855,55.24) 67.844,55.229 67.844,51.806 68.173,51.477 68.173,50.46 68.041,50.328 68.041,46.236 v1(67.96,46.155)
R12.6: MD1.34 R54.1 | length 9.7
  Top Layer w0.3: R54.1@41.867,55.34 41.932,55.275 51.464,55.275 51.467,55.275 MD1.34@51.524,55.332
R12.7: MD1.35 R56.1 | length 11.5
  Top Layer w0.3: R56.1@41.867,57.88 v1(47.788,57.88) ; v1(47.707,56.14) MD1.35@51.524,56.14
  Bottom Layer w0.3: v1(47.707,56.14) 47.748,56.18 47.748,57.84 v1(47.788,57.88)
RLY_CL_OUT: D1.2 K1.5 Q2.3
SCL_P5.0: R6.1 R13.1 R40.1 U3.2 | length 27.5
  Top Layer w0.3: U3.2@21.427,69.358 21.502,69.283 21.502,68.667 21.736,68.433 ; R13.1@21.736,67.401 21.736,68.433 ; R13.1@21.943,67.396 22.793,66.546 25.357,66.546 v1(25.377,66.525) ; v1(25.377,64.905) 25.377,63.779 R6.1@25.767,63.389 ; R40.1@39.967,68.31 39.844,68.433 24.655,68.433 24.595,68.373 23.989,68.373 23.929,68.433 21.736,68.433
  Bottom Layer w0.3: v1(25.377,64.905) v1(25.377,66.525)
SDA_P5.1: R7.1 R14.1 R42.1 U3.1 | length 25.7
  Top Layer w0.3: R7.1@17.08,66.144 18.255,66.144 19.117,67.005 19.117,67.046 R14.1@19.547,67.476 ; R14.1@19.642,67.396 19.817,67.396 20.167,67.746 20.167,67.921 20.702,68.456 20.702,69.265 U3.1@20.777,69.339 ; U3.1@20.852,69.433 20.852,70.049 21.383,70.58 21.976,70.58 22.179,70.783 23.275,70.783 23.478,70.58 R42.1@39.967,70.58
SERV_PULSE: J7.1 Q3.3 R68.2 SERV_PULSE.1 | length 13.2
  Top Layer w0.3: Q3.3@60.537,21.6 Q3.3@60.537,20.954 ; J7.1@63.24,15.269 62.64,15.869 62.093,15.869 59.792,18.17 59.617,18.17 59.267,18.52 R68.2@59.267,18.695 59.267,19.82 60.297,20.85 60.433,20.85 Q3.3@60.537,20.954 ; SERV_PULSE.1@64.347,20.06 61.431,20.06 Q3.3@60.537,20.954
SERV_PULSE_SEL: Q3.1 R66.2 | length 8.1
  Top Layer w0.3: Q3.1@61.487,23.6 61.487,23.669 61.591,23.773 v1(62.675,23.773) ; R66.2@61.537,28.95 61.747,28.74 v1(63.137,28.74)
  Bottom Layer w0.3: v1(62.675,23.773) 62.675,28.153 63.137,28.615 v1(63.137,28.74)
SERV_PWR_SEL: Q4.3 R65.1 R66.1 | length 6
  Top Layer w0.3: R65.1@60.167,26.41 60.167,28.27 59.537,28.9 R66.1@59.537,28.95 59.537,30.15 60.397,31.01 60.433,31.01 60.537,31.114 Q4.3@60.537,31.76
SERV_SEL: Q4.1 R67.2 | length 2.8
  Top Layer w0.3: Q4.1@61.487,33.76 61.487,36.52 R67.2@61.537,36.57
SERVO_P9.2: R33.2 R67.1 | length 3.2
  Top Layer w0.3: R67.1@59.528,36.609 59.647,36.727 R33.2@59.647,39.75
SWDCLK_P6.7: P8.4 R61.1 | length 10.1
  Top Layer w0.3: R61.1@46.947,39.75 46.99,39.707 v1(46.99,38.1) ; v1(47.008,33.92) 49.333,33.92 P8.4@50.714,35.3
  Bottom Layer w0.3: v1(46.99,38.1) 46.999,38.091 46.999,33.929 v1(47.008,33.92)
SWDIO_P6.6: P8.5 R60.1 | length 16.6
  Top Layer w0.3: v1(44.407,33.133) 44.495,33.044 45.119,33.044 45.331,32.832 50.786,32.832 P8.5@53.254,35.3 ; R60.1@44.407,39.75 44.433,39.724 v1(44.433,38.1)
  Bottom Layer w0.3: v1(44.407,33.133) 44.42,33.146 44.42,38.087 v1(44.433,38.1)
TP_A0: R18.2 U3.7 | length 2.8
  Top Layer w0.3: R18.2@19.832,75.583 20.007,75.583 20.824,74.766 20.885,74.766 21.352,74.299 21.352,73.683 U3.7@21.427,73.608
TP_A1: R15.1 U3.6 | length 2.1
  Top Layer w0.3: R15.1@21.782,75.583 21.782,74.633 22.002,74.413 22.002,73.683 U3.6@22.077,73.608
TP_A2: R19.2 U3.5 | length 2.5
  Top Layer w0.3: U3.5@22.727,73.608 22.727,74.656 23.651,75.58 R19.2@23.826,75.58
USB_D_M: J8.2 R69.1 | length 9.3
  Top Layer w0.3: J8.2@21.355,4.763 21.355,5.167 v1(22.151,5.963) ; v1(22.155,11.709) 23.665,11.709 R69.1@23.93,11.975 R69.1@23.841,12.065
  Bottom Layer w0.3: v1(22.151,5.963) 22.153,5.965 22.153,11.708 v1(22.155,11.709)
USB_D_P: J8.3 R70.1 | length 15.3
  Top Layer w0.3: J8.3@21.966,4.238 21.966,4.724 22.155,4.913 22.155,5.058 22.36,5.263 23.724,5.263 24.54,6.079 v1(27.94,6.079) v1@27.852,5.99 ; R70.1@25.908,11.977 R70.1@26.008,11.977 26.097,12.066 v1(27.94,12.066)
  Bottom Layer w0.3: v1(27.94,6.079) v1(27.94,12.066)
USBDM: R69.2 U8.12 | length 5.7
  Top Layer w0.3: U8.12@19.712,16.33 19.757,16.285 19.757,15.407 20.236,14.928 22.827,14.928 23.83,13.925 R69.2@23.93,13.925
USBDP: R70.2 U8.11 | length 7.1
  Top Layer w0.3: U8.11@20.347,16.33 20.347,15.655 20.392,15.61 24.225,15.61 25.908,13.927 R70.2@26.008,13.927
USR_LED1_P5.5: LED1.2 R50.1 | length 3.2
  Top Layer w0.3: LED1.2@36.787,60.2 R50.1@39.967,60.2
USR_LED1_R: LED1.1 R62.2 | length 2.1
  Top Layer w0.3: R62.2@34.679,58.12 34.679,60.192 LED1.1@34.687,60.2
V_EN: R301.1 SW300.2 SW300.5 V_EN.1
V_PH/BOOT: C301.2 D300.1 L300.1 U300.8
V_SENSE: C302.2 C305.2 R300.2 R302.2 R303.2 U300.4
VBACKUP: MD1.3
VBAT_A: C300.1 Q300.3 U300.7 VBAT_A.1
VBAT_POS: C3.1 C4.1 C5.1 C6.1 D1.1 K1.2 K1.3 P2.1 Q300.2 R305.2 U4.5 U5.5 VBAT_POS.1
VBAT_POS_DROP: R305.1 R306.2 U302.5
VBAT_POS_MR_n: SW301.2 U302.3 | length 4.9
  Top Layer w0.3: U302.3@71.209,72.298 71.598,72.298 73.422,70.474 74.181,70.474 74.731,69.924 SW301.2@74.731,69.574
VBAT_POS_PB_RST: R307.1 SW301.1 | length 5.1
  Top Layer w0.3: SW301.1@74.731,60.474 74.731,60.124 75.281,59.574 76.613,59.574 78.334,57.853 R307.1@78.334,57.678
VBAT_POS_PG_R: LED301.1 R311.2 | length 2.7
  Top Layer w0.3: LED301.1@73.459,77.058 73.679,77.278 R311.2@73.679,79.598 73.679,79.662 R311.2@73.645,79.696
VBAT_POS_PWR_GOOD: LED301.2 U302.1 | length 3
  Top Layer w0.3: U302.1@71.209,74.198 71.209,76.966 LED301.2@71.375,77.132
VBAT_POS_WDI: R309.2 U302.4 | length 2.1
  Top Layer w0.3: U302.4@73.609,72.298 75.689,72.298 R309.2@75.701,72.31
VREF: MD1.16
XRES_N: LED2.1 MD1.42 U7.4 XRES_N.1 | length 67
  Top Layer w0.3: XRES_N.1@40.917,75.66 40.937,75.681 v1(54.567,75.681) ; U7.4@49.124,31.595 51.299,31.595 LED2.1@51.324,31.62 51.464,31.76 v1(54.567,31.76) ; MD1.42@51.208,62.41 51.363,62.565 52.205,62.565 52.505,62.865 54.555,62.865 v1(54.567,62.853)
  Bottom Layer w0.3: v1(54.567,31.76) 54.567,45.575 55.022,46.03 55.022,48.771 54.567,49.226 54.567,60.35 54.599,60.382 54.599,60.988 54.567,61.02 v1(54.567,62.853) v1(54.567,75.681)
XRES_N_R: LED2.2 R63.1 | length 2.8
  Top Layer w0.3: LED2.2@51.324,29.52 51.324,26.763 R63.1@51.325,26.761
pads on no net: J8.4 K1.4 K1.6 MH1.1 MH2.1 MH3.1 MH4.1 SW300.1 SW300.3 SW300.4 U1.5 U1.6 U1.7 U8.1 U8.2 U8.5 U8.7 U8.8 U8.9 U8.10 U8.17 U8.18 U8.19 U300.2 U300.3

## Polygon pours and split planes (outlines as drawn)
GND on Bottom Layer "B_GND" (solid, remove dead copper, pour order 5): 0,100 -0.5,99.5 -0.5,0 100,0 100,100
RLY_CL_OUT on Top Layer "T_RLY_CL_OUT" (solid, remove dead copper, pour order 7): 12.766,67.962 12.766,66.546 8.851,66.546 8.851,59.138 7.377,59.138 7.377,67.962
VBAT_POS_DROP on Top Layer "T_VBAT_POS_DROP" (solid, remove dead copper, pour order 8): 78.738,76.707 78.738,75.378 74.591,75.378 74.591,73.626 74.573,73.608 73.327,73.608 73.327,76.707
VBAT_A on Top Layer "T_VBAT_A" (solid, remove dead copper, pour order 10): 82.132,74.523 82.132,72.298 86.83,72.298 86.83,68.435 88.52,68.435 88.52,66.612 90.239,66.612 90.239,74.523
V_EN on Top Layer "T_V_EN" (solid, remove dead copper, pour order 11): 91.38,87.961 91.38,75.759 94.195,75.759 94.195,87.961
V_PH/BOOT on Top Layer "T_V_PH/BOOT" (solid, remove dead copper, pour order 12): 81.28,65.009 86.641,65.009 86.641,61.868 86.642,61.869 88.72,61.869 88.72,62.433 88.72,67.291 81.295,67.291 81.28,67.276
V_SENSE on Top Layer "T_V_SENSE" (solid, remove dead copper, pour order 6): 91.68,59.733 97.962,59.733 97.962,71.618 95.862,71.618 95.862,63.233 91.668,63.233
PUMP_PWR on Top Layer "T_PUMP_PWR" (solid, remove dead copper, pour order 13): 2.157,85.09 2.157,76.2 17.78,76.2 17.78,85.09
5.0V_IN on Top Layer "T_5.0V_IN" (solid, remove dead copper, pour order 15): 16.412,9.565 16.412,6.326 16.406,6.32 15.379,6.32 15.393,6.306 15.393,3.817 15.415,3.796 21.193,3.796 21.193,9.565 16.418,9.565
5.0V_REG on Top Layer "T_5.0V_REG" (solid, remove dead copper, pour order 16): 99.667,73.089 99.667,58.553 99.035,58.553 99.035,2.515 99.033,2.513 1.295,2.513 1.295,17.78 11.133,17.78 11.133,14.174 2.665,14.174 2.665,3.81 97.843,3.81 97.789,58.553 84.272,58.553 84.272,65.676 88.951,65.676 88.951,69.31 93.98,69.31 93.98,73.089
5.0V_USB on Top Layer "T_5.0V_USB" (solid, remove dead copper, pour order 17): 8.945,7.62 15.249,7.62 15.249,10.149 15.159,10.239 8.945,10.239
3.3V_REG on Top Layer "T_3.3V_REG" (solid, remove dead copper, pour order 18): 22.616,27.899 22.637,27.92 26.026,27.92 26.026,22.97 31.098,22.97 31.098,31.773 19.077,31.773 19.077,27.899
3.3V_USB on Top Layer "T_3.3V_USB" (solid, remove dead copper, pour order 19): 15.249,11.68 15.249,16.33 18.332,16.33 18.332,25.301 22.828,25.301 22.828,11.68
VBAT_POS on Top Layer "T_VBAT_POS" (solid, remove dead copper, pour order 22): 82.532,60.81 82.532,54.883 83.918,54.883 83.964,32.97 73.609,32.97 73.609,26.67 91.476,26.67 91.476,87.63 73.609,87.63 73.609,76.258 80.134,76.258 80.134,72.31 69.85,72.31 69.85,73.608 21.497,73.608 21.497,72.39 16.985,72.39 16.985,73.608 2.54,73.608 2.54,60.973 2.553,60.96 6.46,60.96 6.46,67.291 73.659,67.291 80.134,67.306 80.134,60.81
3.3V on Top Layer "T_3.3V" (solid, remove dead copper, pour order 23): 0,100.33 0,0 100.33,0 100.33,100.33
5.0V on Top Layer "T_5.0V" (solid, remove dead copper, pour order 20): 36.83,27.971 33.02,27.971 33.02,21.62 36.83,21.6 36.83,17.78 69.66,17.78 69.66,5.353 2.54,5.353 2.54,25.879 29.21,25.879 29.21,33.02 36.83,33.02

## Keep-outs
Keep-Out Layer:
  the board outline again, w0.254

## Silkscreen, mask and mechanical layers (free items; w line width, h text height)
Top Overlay:
  text "Team04-aleX-ES" at 40.894,95.463 h1.52
Mechanical 2:
  lines w0.254: 5,0 cw(c5,5) 0,5 0,95 cw(c5,95) 5,100 95,100 cw(c95,95) 100,95 100,5 cw(c95,5) 95,0 5,0 ; 5,0 5,0

## Text inside footprints (layer, text, board x,y; h text height)
C12: Top Overlay "+" at 52.629,20.401 h1.5 r270
C13: Top Overlay "+" at 66.137,13.825 h1.5 r270
J8: Mechanical 1 "PCB EDGE" at 27.666,0.563 h0.89
K1: Top Overlay "*" at 3.534,81.278 h1.27; Mechanical 13 "*" at 3.534,78.433 h1.27
P8: Top Overlay "5" at 52.874,37 h1.02; Top Overlay "1" at 42.974,37 h1.02
U4: Top Overlay "*" at 68.993,35.087 h1.27; Mechanical 13 "*" at 70.46,33.906 h1.27
U5: Top Overlay "*" at 81.407,46.676 h1.27; Mechanical 13 "*" at 82.874,45.495 h1.27
U6: Top Overlay "ECE 453" at 27.686,83.042 h1.02